# Altium PCB ETRX_Shield.PcbDoc (part 1 of 2) (continued)
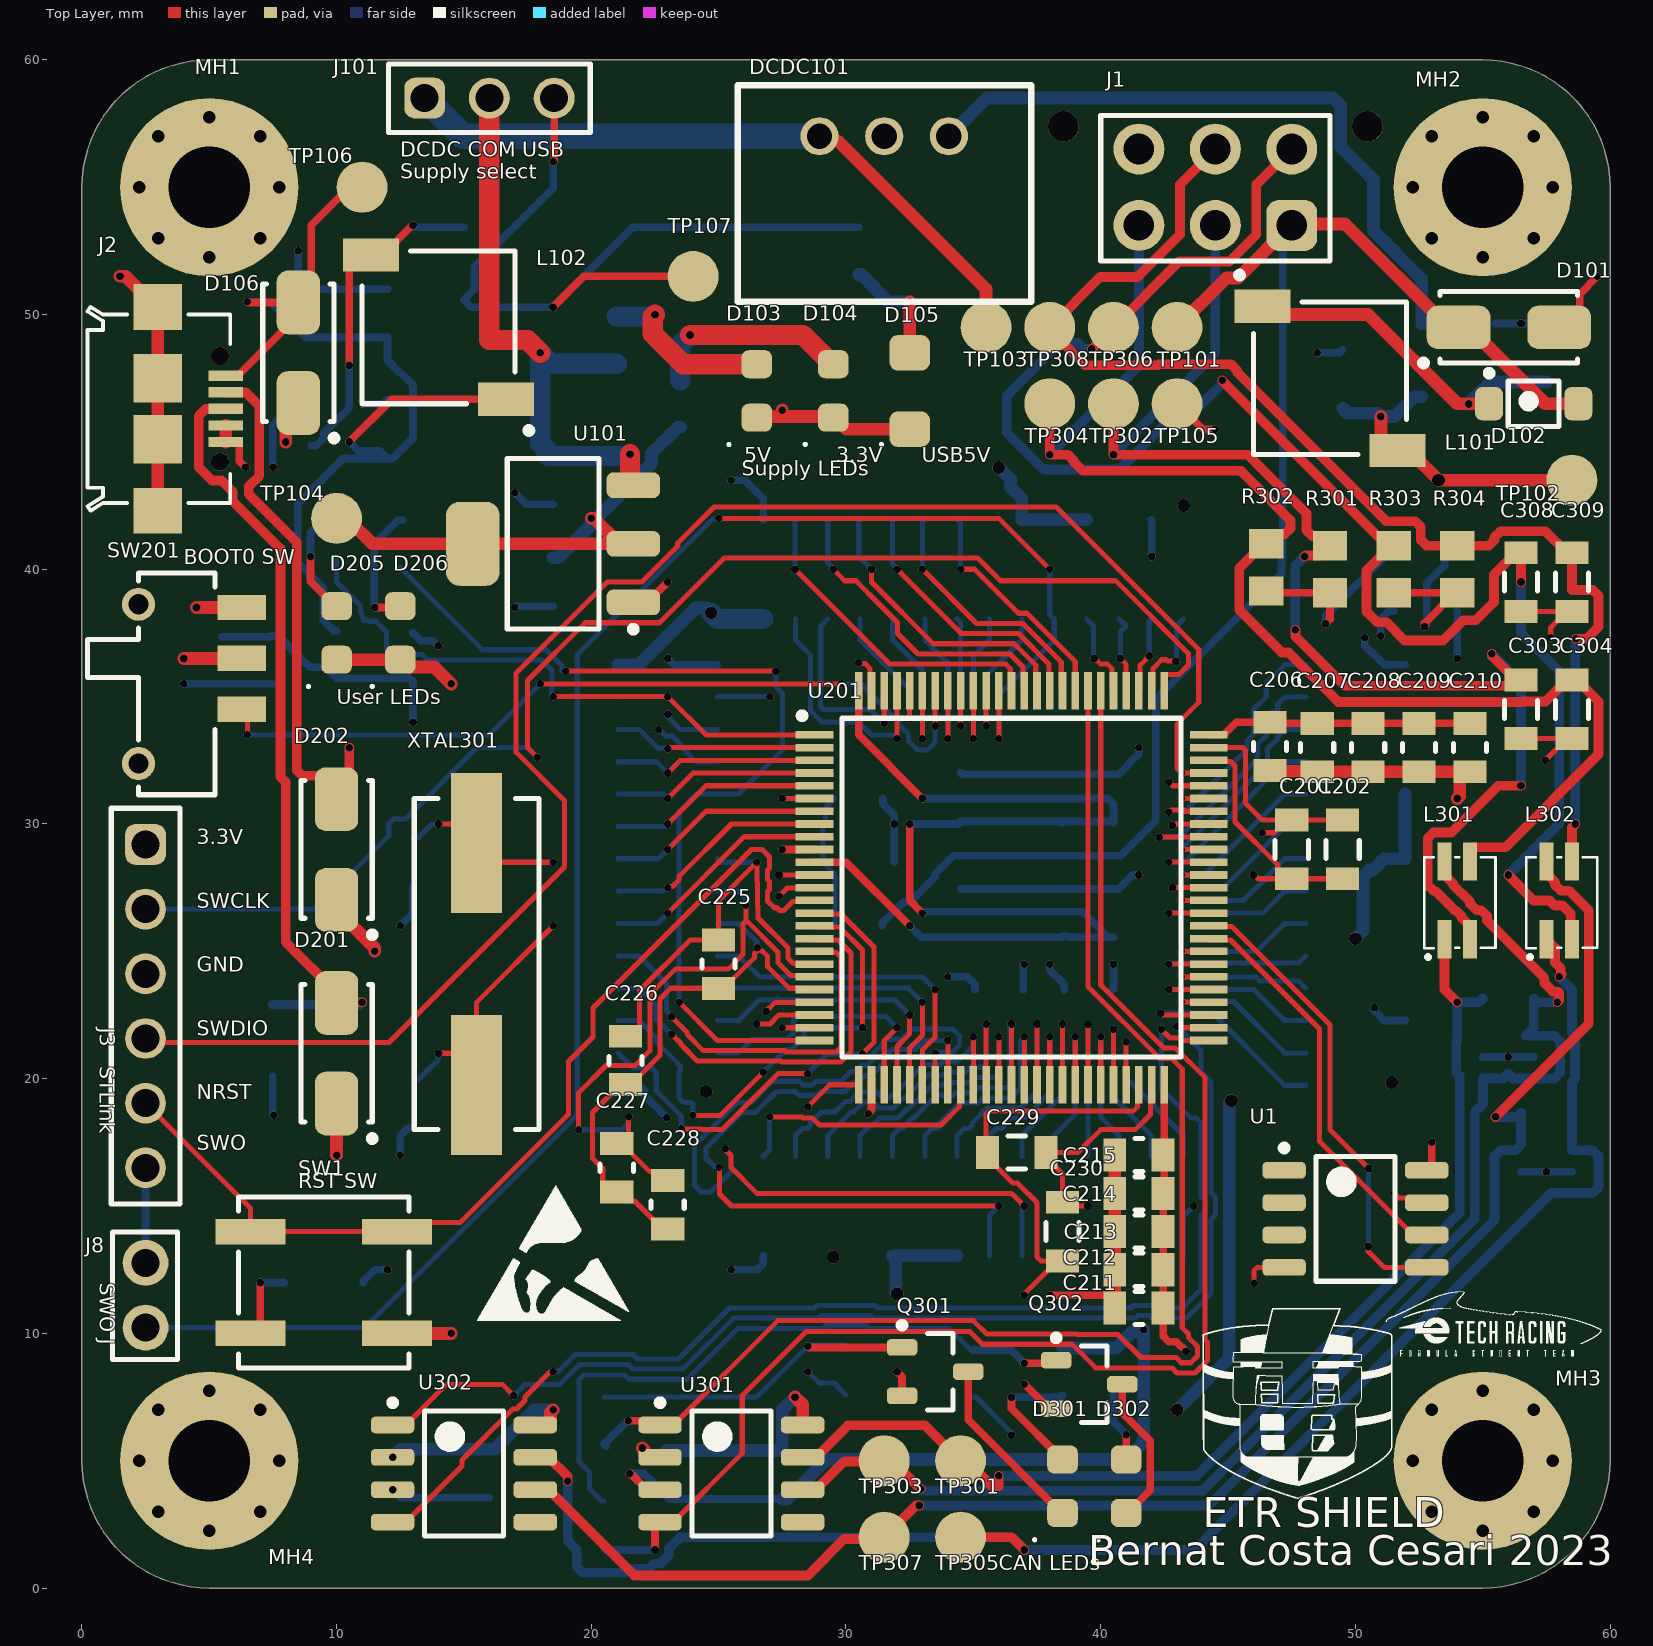
[diagram p0: Top Layer view]
## Part data (continued)
D301 D302: library part LEDYS-0805-120, "2 V Yellow LED 2012 (0805) SMD, Wurth Elektronik WL-SMCW 150080YS75000", Case Code (Imperial)=0805, Case Code (Metric)=2012, Color=Yellow, Forward Current=30mA, Forward Voltage=2V, Manufacturer 1="Wurth Electronics", Max Operating Temperature=85°C, Min Operating Temperature=-40°C, Package Quantity=4000, Supplier Part Number 1=8154231, Test Current=20mA, .Creator=DR, Case/Package=0805, Category=LEDs, ComponentLink1Description=Datasheet, ComponentLink1URL=https://www.we-online.com/catalog/datasheet/150080YS75000.pdf, ComponentLink2Description="Where buy it", ComponentLink2URL=https://katalog.we-online.de/en/led/WL-SMCW/150080YS75000, ComponentLink3Description=https://datasheet.ciiva.com/23843/150080ys75000-23843256.pdf?src-supplier=Newark, ComponentLink3URL=https://datasheet.ciiva.com/23843/150080ys75000-23843256.pdf?src-supplier=Newark, ComponentLink4Description=https://datasheet.ciiva.com/29279/759438-da-01-en-chipled-0805-w-kl-gelb-150080ys75000-29279034.pdf?src-supplier=Conrad, ComponentLink4URL=https://datasheet.ciiva.com/29279/759438-da-01-en-chipled-0805-w-kl-gelb-150080ys75000-29279034.pdf?src-supplier=Conrad, ComponentLink5Description=https://datasheet.ciiva.com/22656/1911353-22656971.pdf?src-supplier=Element14, ComponentLink5URL=https://datasheet.ciiva.com/22656/1911353-22656971.pdf?src-supplier=Element14, ComponentLink6Description=https://datasheet.ciiva.com/29563/150080ys75000-29563019.pdf?src-supplier=Digi-Key, ComponentLink6URL=https://datasheet.ciiva.com/29563/150080ys75000-29563019.pdf?src-supplier=Digi-Key, ComponentLink7Description=https://datasheet.ciiva.com/29563/150080ys75000-29563020.pdf?src-supplier=Digi-Key, ComponentLink7URL=https://datasheet.ciiva.com/29563/150080ys75000-29563020.pdf?src-supplier=Digi-Key, ComponentLink8Description=https://datasheet.ciiva.com/29563/150080ys75000-29563021.pdf?src-supplier=Digi-Key, ComponentLink8URL=https://datasheet.ciiva.com/29563/150080ys75000-29563021.pdf?src-supplier=Digi-Key, Dominant Wavelength=590nm, Height=0.7mm, Length=2mm, Lens Style=Clear,Rectangular, Luminous Intensity=120mcd, Manufacturer Part Number 1=150080YS75000, Mount="Surface Mount", Packaging="Tape and Reel", Pricing 1="50=0,19300, 500=0,12900, 750=0,12300, 1500=0,11700, 3000=0,11100 (USD)", REACH SVHC=Unknown, RoHS=Yes, RoHS Compliant=Yes, Stock 1=2100, Supplier 1=RSComponents, Viewing Angle=140°, Wavelength=590nm, Width=1.25mm
DCDC101: library part DCDC-42V/5V-1A, "Würth Elektronik 8-42V to 5V 1A DC-DC", Manufacturer 1="Wurth Electronics", Max Input Voltage=42V, Max Operating Temperature=85°C, Max Output Current=1A, Min Input Voltage=8V, Min Operating Temperature=-40°C, Supplier Part Number 1=1447809, Voltage - Output 1=5V, .Creator=DR, ComponentLink1Description=http://www.farnell.com/datasheets/2192895.pdf?src-supplier=Farnell, ComponentLink1URL=http://www.farnell.com/datasheets/2192895.pdf?src-supplier=Farnell, ComponentLink2Description=http://www.farnell.com/datasheets/2192895.pdf?src-supplier=Newark, ComponentLink2URL=http://www.farnell.com/datasheets/2192895.pdf?src-supplier=Newark, ComponentLink3Description=https://katalog.we-online.de/pm/datasheet/173010542.pdf?src-supplier=Digi-Key, ComponentLink3URL=https://katalog.we-online.de/pm/datasheet/173010542.pdf?src-supplier=Digi-Key, Efficiency=93%, Features=UVLO,OCP,OTP,SCP, Manufacturer Part Number 1=173010542, Mount="Through Hole", Number of Outputs=1, Packaging=Rail/Tube, Pricing 1="1=12,22500, 8=10,96900, 21=10,68900 (USD)", RoHS=Yes, RoHS Compliant=Yes, Stock 1=1, Supplier 1=RSComponents
F101 F102: library part Fuse_1A_63V_1206, "Fuse Chip Fast Acting 1A 63V SMD Solder Pad 1206 Ceramic T/R Automotive", Case Code (Imperial)=1206, Case Code (Metric)=3216, Current Rating=1A, Manufacturer=Littelfuse, Max Operating Temperature=150°C, Min Operating Temperature=-55°C, Supplier Part Number 1=F10001CT-ND, Voltage Rating (AC)=63V, .Creator=DO, Approvals=CSA,cURus, Case/Package=1206, Category=Fuses, ComponentLink1Description=https://www.littelfuse.com/~/media/electronics/datasheets/fuses/littelfuse_fuse_437a_datasheet.pdf.pdf?src-supplier=Digi-Key, ComponentLink1URL=https://www.littelfuse.com/~/media/electronics/datasheets/fuses/littelfuse_fuse_437a_datasheet.pdf.pdf?src-supplier=Digi-Key, ComponentLink2Description="Where buy it", ComponentLink2URL=https://www.mouser.es/ProductDetail/Littelfuse/0437001WRA?qs=DXv0QSHKF4z9CJhPXjxR%252BA%3D%3D, Fuse Type="Board Mount (Cartridge Style Excluded)", Manufacturer part number=0437001.WRA, Mount="Surface Mount", Packaging="Tape and Reel", Pricing 1="1=1,52000, 5=1,47000, 10=1,37600, 50=1,13860, 100=0,94880, 250=0,92508, 500=0,78276, 1000=0,68788 (USD)", RoHS=Yes, Stock 1=5820, Supplier 1=Digi-Key, Voltage Rating (DC)=63V
J1: library part J_MicroFit_2x3_V, "Micro fit Header, 2 Row, Vertical, Polarizing Peg, 6 Pin, Tin Plate, SMT/Glow Wire, Kinked Leads", Manufacturer=Molex, Manufacturer part number=43045-0612, Supplier Part Number 1=2332898, .Creator=DO, Category="Headers and Wire Housings", ComponentLink1Description=Datasheet, ComponentLink1URL=https://www.molex.com/pdm_docs/sd/430450612_sd.pdf, ComponentLink2Description=https://datasheet.ciiva.com/11748/0900766b800bd7d2-11748707.pdf?src-supplier=RSComponents, ComponentLink2URL=https://datasheet.ciiva.com/11748/0900766b800bd7d2-11748707.pdf?src-supplier=RSComponents, ComponentLink3Description=https://datasheet.ciiva.com/19462/883464-19462371.pdf?src-supplier=Jameco, ComponentLink3URL=https://datasheet.ciiva.com/19462/883464-19462371.pdf?src-supplier=Jameco, ComponentLink4Description=https://datasheet.ciiva.com/30194/128550430450612-pcb-headers-30194512.pdf?src-supplier=Onlinecomponents.com, ComponentLink4URL=https://datasheet.ciiva.com/30194/128550430450612-pcb-headers-30194512.pdf?src-supplier=Onlinecomponents.com, ComponentLink5Description=https://datasheet.ciiva.com/9468/0430450612-pcb-headers-9468492.pdf?src-supplier=Avnet, ComponentLink5URL=https://datasheet.ciiva.com/9468/0430450612-pcb-headers-9468492.pdf?src-supplier=Avnet, ComponentLink8Description="Where buy it", ComponentLink8URL=https://www.molex.com/molex/products/part-detail/pcb_headers/0430450612, Pricing 1="5=1,45500, 100=1,26700, 375=1,08900, 1500=0,90900, 3000=0,72900 (USD)", RoHS=Yes, Stock 1=2635, Supplier 1=RSComponents
J2: "WR-COM Micro USB 2.0 SMT Type B Horizontal 5 Contacts", Manufacturer="Wurth Elektronik", Operating Temperature Max=105°C, Operating Temperature Min=-40°C, Rated Current=1A, Working Voltage="30V (AC)", Application="Micro USB 2.0", Category="Input/Output Connectors", ComponentLink1Description="Website Link", ComponentLink1URL=https://www.we-online.com/redexpert/article/629105136821?ad, ComponentLink2Description="Datasheet Link", ComponentLink2URL=https://www.we-online.com/redexpert/spec/629105136821?ad, Gender=Receptacle, Interface Type="Type B", Manufacturer part number=629105136821, Match Code=WR-USB, Mount="Surface Mount", Number of Pins=5, Number of Ports=1, Orientation=Horizontal, Packaging="Tape and Reel"
J4 J5 J6 J7: "WR-PHD Pin Header, SMT, Vertical, pitch 1.27mm, 2 Row, 28P", Contact Resistance=20mΩ, Manufacturer="Wurth Elektronik", Operating Temperature Max=105°C, Operating Temperature Min=-40°C, Rated Current=1A, Withstanding Voltage=500V, Working Voltage=100V, Category="Board-to-Board Connectors", ComponentLink1Description="Website Link", ComponentLink1URL=https://www.we-online.com/redexpert/article/62132821021?ad, ComponentLink2Description="Datasheet Link", ComponentLink2URL=https://www.we-online.com/redexpert/spec/62132821021?ad, Gender="Pin Header", Manufacturer part number=62132821021, Match Code=WR-PHD, Mount="Surface Mount", Number of Pins=28, Number of Rows=2, Orientation=Vertical, Packaging="Tape and Reel", Pitch=1.27mm
J8: library part J_Jumper, "CONN HEADER 2 POS 2.54", Color=Black, Current Rating=3A, Manufacturer=Molex, Max Operating Temperature=125°C, Maximum current="3 A", Maximum voltage="250 V AC", Min Operating Temperature=-40°C, Supplier Part Number 1=8281581, Temperature rating="-40° to +105°C", Voltage Rating=250V, .Creator=GP, Application=Shortcircuit, Category=Connector, Category type=PCB-PCB, ComponentLink1Description=Datasheet, ComponentLink1URL=https://www.we-online.com/catalog/datasheet/61300211121.pdf, ComponentLink2Description="Where buy it", ComponentLink2URL=https://www.we-online.com/catalog/en/PHD_2_54_THT_PIN_HEADER_6130XX11121?sq=61300211121&sp=https%3A%2F%2Fwww.we-online.com%2Fweb%2Fen%2Fwuerth_elektronik%2Fsearchpage.php%3Fsearch%3D61300211121#61300211121, ComponentLink3Description=https://datasheet.ciiva.com/13619/6130xx11121-48870-13619345.pdf?src-supplier=Mouser, ComponentLink3URL=https://datasheet.ciiva.com/13619/6130xx11121-48870-13619345.pdf?src-supplier=Mouser, Connections=1x2, Connector Type="Male Pin", Contact Gender=Male, Contact Material="Copper Alloy,Copper", Contact Mating Length=0.236inch, Contact Plating=Gold, Flammability=94V-0, Gender=Male, Housing Material=PBT, Lead Free="Lead Free", Manufacturer part number=61300211121, Mount="Through hole", Number of Contacts=2, Number of Positions=2, Number of Rows=1, Orientation=Vertical, Packaging=Bulk, Pitch=0.1inch, Pricing 1="5=0,14100, 50=0,09700, 100=0,07800, 200=0,07300, 500=0,06800 (USD)", Product name="Pin Header", REACH SVHC=Unknown, Stock 1=1855, Supplier="Würth Elektronik", Supplier 1=RSComponents, Termination="Through Hole"
J101: library part J_Jumper3
L101 L102: library part L_47u-490mA_CF, "Inductor Power Unshielded Wirewound 47uH 10% 100KHz Ferrite 490mA 546mOhm DCR T/R", Case/Package=Nonstandard, Current Rating=490mA, DC Resistance (DCR)=546mR, Manufacturer=Sumida, Manufacturer part number=CDC5D23BNP-470KC, Max Operating Temperature=100°C, Min Operating Temperature=-40°C, Package Quantity=2000, Supplier Part Number 1=851-CDC5D23BNP-470KC, Test Frequency=100kHz, Tolerance=10%, .Creator=GP, Category="Fixed Inductors", ComponentLink1Description=http://www.mouser.com/ds/2/390/CDC5D23B-465898.pdf?src-supplier=Mouser, ComponentLink1URL=http://www.mouser.com/ds/2/390/CDC5D23B-465898.pdf?src-supplier=Mouser, ComponentLink3Description=http://products.sumida.com/products/pdf/CDC5D23B.pdf?src-supplier=Digi-Key, ComponentLink3URL=http://products.sumida.com/products/pdf/CDC5D23B.pdf?src-supplier=Digi-Key, Core Material=Ferrite, Height=2.5mm, Height - Seated (Max)=0.098inch, Inductance=47uH, Lead Free="Lead Free", Length=0.228inch, Max DC Current=490mA, Mount="Surface Mount", Packaging="Tape and Reel", Pricing 1="1=0,95000, 10=0,71100, 50=0,71100, 100=0,59700, 1000=0,40600, 10000=0,38100 (USD)", RoHS=Yes, RoHS Compliant=Yes, Series=CDC5D23B, Shielding=Unshielded, Stock 1=3779, Supplier 1=Mouser, Termination=SMD/SMT, Weight=0.007584oz, Width=5.8mm
L301 L302: library part CMC-51uH-125mA, "Common Mode Noise Filter for CAN DCMR Class3 Compliance", Supplier Part Number 1=81-DLW32SH510XF2L, Specifications sheet=https://www.murata.com/products/productdata/8804914298910/QFLC9127.pdf?1681702277000, Supplier 1=Mouser
Q301 Q302: library part TRT-NPN-0.5/45-SOT23, "ON Semi BC817-25LT1G NPN Bipolar Transistor; 0.5 A; 45 V; 3-Pin SOT-23", Case/Package=SOT-23-3, Collector Base Voltage (VCBO)=50V, Collector Emitter Breakdown Voltage=45V, Collector Emitter Saturation Voltage=700mV, Current Rating=500mA, Emitter Base Voltage (VEBO)=5V, Frequency=100MHz, Package Quantity=1, Power Dissipation=300mW, Supplier Part Number 1=BC817-25LT1GOSCT-ND, .Creator=GP, Category=Transistor, Collector Emitter Voltage (VCEO)=45V, Collector-emitter Voltage-Max=700mV, ComponentLink1Description=Datasheet, ComponentLink2Description="Where buy it", ComponentLink3Description=https://datasheet.ciiva.com/27748/2010413-27748829.pdf?src-supplier=Jameco, ComponentLink3URL=https://datasheet.ciiva.com/27748/2010413-27748829.pdf?src-supplier=Jameco, ComponentLink4Description=https://datasheet.ciiva.com/15138/getdatasheetpartid-38405-15138602.pdf?src-supplier=Verical, ComponentLink4URL=https://datasheet.ciiva.com/15138/getdatasheetpartid-38405-15138602.pdf?src-supplier=Verical, ComponentLink5Description=https://datasheet.ciiva.com/1196/bc817-16lt1-d-1196558.pdf?src-supplier=Element14, ComponentLink5URL=https://datasheet.ciiva.com/1196/bc817-16lt1-d-1196558.pdf?src-supplier=Element14, ComponentLink6Description=https://datasheet.ciiva.com/22641/bc817-16lt1-d-22641013.pdf?src-supplier=Farnell, ComponentLink6URL=https://datasheet.ciiva.com/22641/bc817-16lt1-d-22641013.pdf?src-supplier=Farnell, ComponentLink7Description=https://datasheet.ciiva.com/22664/bc817-16lt1-d-22664204.pdf?src-supplier=Element14, ComponentLink7URL=https://datasheet.ciiva.com/22664/bc817-16lt1-d-22664204.pdf?src-supplier=Element14, ComponentLink8Description=https://datasheet.ciiva.com/22664/1842041-22664101.pdf?src-supplier=Element14, ComponentLink8URL=https://datasheet.ciiva.com/22664/1842041-22664101.pdf?src-supplier=Element14, ComponentLink9Description=https://datasheet.ciiva.com/4722/bc817-16lt1-d-104560-4722229.pdf?src-supplier=Mouser, ComponentLink9URL=https://datasheet.ciiva.com/4722/bc817-16lt1-d-104560-4722229.pdf?src-supplier=Mouser, ComponentLink10Description=https://datasheet.ciiva.com/1195/bc817-16lt1-d-1195763.pdf?src-supplier=Element14, ComponentLink10URL=https://datasheet.ciiva.com/1195/bc817-16lt1-d-1195763.pdf?src-supplier=Element14, ComponentLink11Description=https://datasheet.ciiva.com/1195/bc817-16lt1-d-1195764.pdf?src-supplier=Element14, ComponentLink11URL=https://datasheet.ciiva.com/1195/bc817-16lt1-d-1195764.pdf?src-supplier=Element14, ComponentLink12Description=https://datasheet.ciiva.com/11197/bc817-16lt1-d-11197514.pdf?src-supplier=Avnet, ComponentLink12URL=https://datasheet.ciiva.com/11197/bc817-16lt1-d-11197514.pdf?src-supplier=Avnet, ComponentLink13Description=https://datasheet.ciiva.com/25996/bc817-16lt1-d-25996327.pdf?src-supplier=Avnet+Europe, ComponentLink13URL=https://datasheet.ciiva.com/25996/bc817-16lt1-d-25996327.pdf?src-supplier=Avnet+Europe, ComponentLink14Description=https://datasheet.ciiva.com/976/bc817-16lt1-d-976357.pdf?src-supplier=Digi-Key, ComponentLink14URL=https://datasheet.ciiva.com/976/bc817-16lt1-d-976357.pdf?src-supplier=Digi-Key, ComponentLink15Description=https://datasheet.ciiva.com/976/bc817-16lt1-d-976358.pdf?src-supplier=Digi-Key, ComponentLink15URL=https://datasheet.ciiva.com/976/bc817-16lt1-d-976358.pdf?src-supplier=Digi-Key, ComponentLink16Description=https://datasheet.ciiva.com/976/bc817-16lt1-d-976356.pdf?src-supplier=Digi-Key, ComponentLink16URL=https://datasheet.ciiva.com/976/bc817-16lt1-d-976356.pdf?src-supplier=Digi-Key, Contact Plating=Tin,Matte, Element Configuration=Single, Gain Bandwidth Product=100MHz, Halogen Free="Halogen Free", Height=0.94mm, hFE Min=160, Lead Free="Lead Free", Length=2.9mm, Max Breakdown Voltage=45V, Max Collector Current=500mA, Max Frequency=100MHz, Number of Elements=1, Number of Pins=3, Pricing 1="1=0,20000, 10=0,18500, 100=0,10080, 500=0,06204, 1000=0,04229 (USD)", Radiation Hardening=No, REACH SVHC="No SVHC", RoHS Compliant=Yes, Series=-, Supplier 1=Digi-Key, Transition Frequency=100MHz, Width=1.3mm
R1: library part "R549k - 0805"
R2: library part R68k-1206FTK, "Resistor, AS 1206 68k1% 250mW TC100", Manufacturer=Bourns, Resistance=68kR, Supplier Part Number 1=16AH0632, .Creator=DO, Category="Chip SMD Resistors", ComponentLink1Description="Where buy it", ComponentLink1URL=https://www.mouser.es/ProductDetail/Bourns/CR1206AFX-6802EAS?qs=PzGy0jfpSMtMA5jyzS7M7w%3D%3D, ComponentLink2Description=Datasheet, ComponentLink2URL=https://www.mouser.es/datasheet/2/54/cr_a_as-1858644.pdf, Manufacturer part number=CR1206AFX-6802EAS, Pricing 1="1=0,01100, 25=0,01100, 50=0,01100, 100=0,01100, 250=0,01100, 500=0,01100 (USD)", RoHS=Yes, Stock 1=4700, Supplier 1=Newark
R101 R103 R305 R308: library part R470-0805FTK, "Res Thick Film 0805 470 Ohm 1% 1/8W ±100ppm/°C Molded SMD SMD Paper Tape on Plastic Reel", Case Code (Imperial)=0805, Case Code (Metric)=2012, Manufacturer 1=Bourns, Max Operating Temperature=155°C, Max Power Dissipation=125mW, Min Operating Temperature=-55°C, Resistance=470R, Resistance Tolerance=1%, Resistor Type="Thick Film", Temperature Coefficient=100ppm/°C, Voltage Rating=150V, .Creator=DR, Case/Package=0805, Category="Chip SMD Resistors", ComponentLink1Description=https://datasheet.ciiva.com/11808/0900766b80fcdb72-11808686.pdf?src-supplier=RSComponents, ComponentLink1URL=https://datasheet.ciiva.com/11808/0900766b80fcdb72-11808686.pdf?src-supplier=RSComponents, ComponentLink2Description=https://datasheet.ciiva.com/7985/1856384-7985880.pdf?src-supplier=Element14, ComponentLink2URL=https://datasheet.ciiva.com/7985/1856384-7985880.pdf?src-supplier=Element14, ComponentLink3Description=https://datasheet.ciiva.com/22693/1902866-22693247.pdf?src-supplier=Element14, ComponentLink3URL=https://datasheet.ciiva.com/22693/1902866-22693247.pdf?src-supplier=Element14, ComponentLink4Description=https://datasheet.ciiva.com/5541/chpreztr-5541930.pdf?src-supplier=Mouser, ComponentLink4URL=https://datasheet.ciiva.com/5541/chpreztr-5541930.pdf?src-supplier=Mouser, Construction=Rectangular, Contact Plating=Tin, Depth=1.25mm, Features="Moisture Resistant", Height=0.5mm, Length=2mm, Manufacturer Part Number 1=CR0805-FX-4700GLF, Military Standard=Not, Mount="Surface Mount", Number of Pins=2, Number of Terminations=2, Packaging="Tape and Reel", Power Rating=125mW, Pricing 1="1=0,00990, 10=0,00980, 25=0,00950, 50=0,00940, 100=0,00930, 250=0,00920, 500=0,00910, 1000=0,00890, 3000=0,00870, 6000=0,00860 (USD)", Radiation Hardening=No, REACH SVHC="No SVHC", RoHS=Yes, Series=CR0805, Stock 1=12623, Supplier 1="Arrow Electronics", Supplier Part Number 1=CR0805-FX-4700GLF, Technology="THICK FILM", Termination=SMD/SMT, Thickness=508um, Tolerance=1%, Voltage Rating (DC)=150V
R102 R207 R208: library part R100-0805FTK, "Res Thick Film 0805 100 Ohm 1% 1/8W ±100ppm/°C Molded SMD SMD Paper Tape on Plastic Reel", Case Code (Imperial)=0805, Case Code (Metric)=2012, Manufacturer 1=Bourns, Max Operating Temperature=155°C, Max Power Dissipation=125mW, Min Operating Temperature=-55°C, Package Quantity=1, Resistance=100R, Resistance Tolerance=1%, Resistor Type="Thick Film", Temperature Coefficient=100ppm/°C, Voltage Rating=150V, .Creator=DR, Case/Package=0805, Category="Chip SMD Resistors", ComponentLink1Description=https://datasheet.ciiva.com/11809/0900766b80fcdb72-11809178.pdf?src-supplier=RSComponents, ComponentLink1URL=https://datasheet.ciiva.com/11809/0900766b80fcdb72-11809178.pdf?src-supplier=RSComponents, ComponentLink2Description=https://datasheet.ciiva.com/6547/chpreztr-6547413.pdf?src-supplier=Digi-Key, ComponentLink2URL=https://datasheet.ciiva.com/6547/chpreztr-6547413.pdf?src-supplier=Digi-Key, ComponentLink3Description=https://datasheet.ciiva.com/6547/chpreztr-6547414.pdf?src-supplier=Digi-Key, ComponentLink3URL=https://datasheet.ciiva.com/6547/chpreztr-6547414.pdf?src-supplier=Digi-Key, ComponentLink4Description=https://datasheet.ciiva.com/6547/chpreztr-6547415.pdf?src-supplier=Digi-Key, ComponentLink4URL=https://datasheet.ciiva.com/6547/chpreztr-6547415.pdf?src-supplier=Digi-Key, ComponentLink5Description=https://datasheet.ciiva.com/9120/chpreztr-9120744.pdf?src-supplier=Avnet, ComponentLink5URL=https://datasheet.ciiva.com/9120/chpreztr-9120744.pdf?src-supplier=Avnet, Construction=Rectangular, Contact Plating=Tin, Depth=1.25mm, Features="Moisture Resistant", Height=0.5mm, Length=2mm, Manufacturer Part Number 1=CR0805-FX-1000ELF, Military Standard=Not, Mount="Surface Mount", Number of Pins=2, Number of Terminations=2, Packaging="Tape and Reel", Power Rating=125mW, Pricing 1="1=0,05840, 10=0,03430, 25=0,01780, 100=0,00750, 250=0,00560, 500=0,00490, 3000=0,00470 (USD)", Radiation Hardening=No, REACH SVHC="No SVHC", RoHS=Yes, RoHS Compliant=Yes, Series=CR0805, Stock 1=49802, Supplier 1="Arrow Electronics", Supplier Part Number 1=CR0805-FX-1000ELF, Technology="THICK FILM", Termination=SMD/SMT, Thickness=508um, Tolerance=1%, Voltage Rating (DC)=150V, Width=1.25mm
R201: library part R620k-0805FTK
R202: library part R430k-0805FTK
R203: library part R1.6K-1206FTK, "Res Thick Film 1206 1.6K Ohm 1% 1/4W ±100ppm/°C Molded SMD SMD Paper T/R", Case Code (Imperial)=1206, Case Code (Metric)=3216, Manufacturer 1=Vishay, Max Operating Temperature=155°C, Max Power Dissipation=250mW, Min Operating Temperature=-55°C, Package Quantity=5000, Resistance=1k6, Resistance Tolerance=1%, Resistor Type="Thick Film", Supplier Part Number 1=541-1.60KFCT-ND, Temperature Coefficient=100ppm/°C, Voltage Rating=200V, .Creator=DO, Case/Package=1206, Category="Chip SMD Resistors", ComponentLink1Description=https://datasheet.ciiva.com/11811/0900766b80d98b5e-11811377.pdf?src-supplier=RSComponents, ComponentLink1URL=https://datasheet.ciiva.com/11811/0900766b80d98b5e-11811377.pdf?src-supplier=RSComponents, ComponentLink2Description=https://datasheet.ciiva.com/2515/dcrcwe3-2515616.pdf?src-supplier=Digi-Key, ComponentLink2URL=https://datasheet.ciiva.com/2515/dcrcwe3-2515616.pdf?src-supplier=Digi-Key, ComponentLink3Description=https://datasheet.ciiva.com/2515/dcrcwe3-2515617.pdf?src-supplier=Digi-Key, ComponentLink3URL=https://datasheet.ciiva.com/2515/dcrcwe3-2515617.pdf?src-supplier=Digi-Key, ComponentLink4Description=https://datasheet.ciiva.com/2515/dcrcwe3-2515618.pdf?src-supplier=Digi-Key, ComponentLink4URL=https://datasheet.ciiva.com/2515/dcrcwe3-2515618.pdf?src-supplier=Digi-Key, ComponentLink5Description=https://datasheet.ciiva.com/9098/dcrcwe3-9098889.pdf?src-supplier=Avnet, ComponentLink5URL=https://datasheet.ciiva.com/9098/dcrcwe3-9098889.pdf?src-supplier=Avnet, ComponentLink6Description=https://datasheet.ciiva.com/16213/dcrcwe3-16213498.pdf?src-supplier=Future+Electronics, ComponentLink6URL=https://datasheet.ciiva.com/16213/dcrcwe3-16213498.pdf?src-supplier=Future+Electronics, ComponentLink7Description=https://datasheet.ciiva.com/17203/dcrcwe3-17203786.pdf?src-supplier=Avnet+Europe, ComponentLink7URL=https://datasheet.ciiva.com/17203/dcrcwe3-17203786.pdf?src-supplier=Avnet+Europe, ComponentLink8Description=https://datasheet.ciiva.com/7670/1697337-7670316.pdf?src-supplier=Element14, ComponentLink8URL=https://datasheet.ciiva.com/7670/1697337-7670316.pdf?src-supplier=Element14, ComponentLink9Description=https://datasheet.ciiva.com/7670/1697337-7670317.pdf?src-supplier=Element14, ComponentLink9URL=https://datasheet.ciiva.com/7670/1697337-7670317.pdf?src-supplier=Element14, ComponentLink10Description=https://datasheet.ciiva.com/5550/dcrcwe3-109170-5550718.pdf?src-supplier=Mouser, ComponentLink10URL=https://datasheet.ciiva.com/5550/dcrcwe3-109170-5550718.pdf?src-supplier=Mouser, ComponentLink11Description=RS, ComponentLink11URL=https://es.rs-online.com/web/p/resistencias-fijas-para-montaje-en-superficie/6791866/, Construction=Rectangular, Contact Plating=Tin, Depth=1.6mm, Features="Automotive AEC-Q200", Height=0.55mm, Lead Free="Lead Free", Length=3.2mm, Manufacturer Part Number 1=CRCW12061K60FKEA, Military Standard=Not, Number of Pins=2, Number of Terminations=2, Packaging="Tape and Reel", Power Rating=250mW, Pricing 1="1=0,10000, 10=0,08200, 100=0,03160, 1000=0,01392, 2500=0,01202 (USD)", Radiation Hardening=No, REACH SVHC=Unknown, RoHS=Yes, RoHS Compliant=Yes, Series=CRCW, Size Code=1206, Supplier 1=Digi-Key, Technology="THICK FILM", Termination=SMD/SMT, Tolerance=1%, Voltage Rating (DC)=200V, Weight=0.000353oz, Width=0.063inch
R301 R302 R303 R304: "Res Thin Film 0805 60.4 Ohm 0.1% 1/8W ±25ppm/°C Molded SMD SMD Punched Carrier T/R", Case Code (Imperial)=0805, Case Code (Metric)=2012, Manufacturer 1=Panasonic, Manufacturer Part Number 1=ERA-6AEB60R4V, Max Operating Temperature=155°C, Max Power Dissipation=125mW, Min Operating Temperature=-55°C, Package Quantity=5000, Resistance=60.4R, Resistor Type="Thin Film,Metal Film", Temperature Coefficient=25ppm/°C, Tolerance=0.1%, Voltage Rating=200V, Voltage Rating (DC)=100V, .Creator=DR, Case/Package=0805, Category="Chip SMD Resistors", ComponentLink1Description=https://datasheet.ciiva.com/11811/0900766b80eb1d8c-11811180.pdf?src-supplier=RSComponents, ComponentLink1URL=https://datasheet.ciiva.com/11811/0900766b80eb1d8c-11811180.pdf?src-supplier=RSComponents, ComponentLink2Description=https://datasheet.ciiva.com/41450/001181146-da-01-en-widerstand-era-0805-60r4-0-1-5000st-41450303.pdf?src-supplier=Conrad, ComponentLink2URL=https://datasheet.ciiva.com/41450/001181146-da-01-en-widerstand-era-0805-60r4-0-1-5000st-41450303.pdf?src-supplier=Conrad, ComponentLink3Description=https://datasheet.ciiva.com/5951/485442-5951173.pdf?src-supplier=Farnell, ComponentLink3URL=https://datasheet.ciiva.com/5951/485442-5951173.pdf?src-supplier=Farnell, ComponentLink4Description=https://datasheet.ciiva.com/30184/54aoa0000ce26-30184022.pdf?src-supplier=Onlinecomponents.com, ComponentLink4URL=https://datasheet.ciiva.com/30184/54aoa0000ce26-30184022.pdf?src-supplier=Onlinecomponents.com, ComponentLink5Description=https://datasheet.ciiva.com/9188/aoa0000ce26-9188476.pdf?src-supplier=Avnet, ComponentLink5URL=https://datasheet.ciiva.com/9188/aoa0000ce26-9188476.pdf?src-supplier=Avnet, Contact Plating=Tin, Depth=1.25mm, Features="Automotive AEC-Q200", Height=0.5mm, Lead Free="Lead Free", Length=2mm, Mount="Surface Mount", Number of Pins=2, Number of Terminations=2, Packaging="Tape and Reel", Power Rating=125mW, Pricing 1="1=0,04650, 10=0,03900, 100=0,02860 (USD)", Radiation Hardening=No, RoHS=Yes, Stock 1=5000, Supplier 1="Arrow Electronics", Supplier Part Number 1=ERA-6AEB60R4V, Termination=SMD/SMT, Weight=0.000194oz, Width=1.25mm
R306 R309: library part R47kR-0805FTK
R307 R310: library part R22k-0805FTK
SW1: "WS-TASV J-Hook SMT Hermetic Tact Switch, L6 x W6 x H3.4mm, 250g, SPST-NO, 12V, 50mA", Manufacturer="Wurth Elektronik", Operating Temperature Max=85°C, Operating Temperature Min=-40°C, Rated Current=50mA, Rated Voltage (DC)=12V, Category="Tact Switches", Circuit=SPST-NO, ComponentLink1Description="Website Link", ComponentLink1URL=https://www.we-online.com/redexpert/article/430773034825?ad, ComponentLink2Description="Datasheet Link", ComponentLink2URL=https://www.we-online.com/redexpert/spec/430773034825?ad, Contact Material="Stainless Steel", Contact Plating=Silver, Height=3.4mm, Length=6mm, Manufacturer part number=430773034825, Match Code=WS-TASV, Mount="Surface Mount", Operation Force=250g, Packaging="Tape and Reel", Terminal Material="Copper Alloy", Terminal Plating=Silver, Washable=Yes, Width=6mm
SW201: "WS-SLSU SMT Mini Slide Switch Same Side Connection, SPDT, 5VDC, 300mA, 225g", Manufacturer="Wurth Elektronik", Operating Temperature Max=85°C, Operating Temperature Min=-40°C, Rated Current=300mA, Rated Voltage=5VDC, Category="Slide Switches", Circuit=SPDT, ComponentLink1Description="Website Link", ComponentLink1URL=https://www.we-online.com/redexpert/article/450405020524?ad, ComponentLink2Description="Datasheet Link", ComponentLink2URL=https://www.we-online.com/redexpert/spec/450405020524?ad, Contact Material="Copper Alloy", Contact Plating=Silver, Height=2mm, Length=8.7mm, Manufacturer part number=450405020524, Match Code=WS-SLSU, Mount="Surface Mount", Operation Force=225g, Packaging="Tape and Reel", Terminal Material="Copper Alloy", Terminal Plating=Silver, Width=3mm
TP101 TP102 TP103 TP104 TP105 TP106 TP107 TP301 TP302 TP303 TP304 TP305 TP306 TP307 TP308: "Test Point 1x1 mm", .Creator=GP, .PCBcheck=GP, .SCHcheck=GP, Category=TestPoint
U1: library part "EEPROM 24AA02I2C 2K Microchip", "24AA02 / 2Kb I2C compatible 2-wire Serial EEPROM", Supplier Part Number 1=24AA02-I/SN, ComponentLink1Description=Datasheet, ComponentLink1URL=https://ww1.microchip.com/downloads/aemDocuments/documents/MPD/ProductDocuments/DataSheets/24AA02-24LC02B-24FC02-2K-I2C-Serial-EEPROM-20001709N.pdf, Supplier 1="Arrow Electronics"
U101: library part LDO_10V-0.8/3V3-SOT223, "LDO Regulator Pos 3.3V 0.8A 4-Pin(3+Tab) SOT-223 T/R / IC REG LDO 3.3V 0.8A SOT223", Case/Package=SOT-223, Current Rating=800A, Dropout Voltage=1.2V, Manufacturer="Texas Instruments", Max Input Voltage=15V, Max Operating Temperature=125°C, Max Output Current=800mA, Max Supply Voltage=10V, Min Input Voltage=2.6V, Min Operating Temperature=-40°C, Min Supply Voltage=4.75V, Nominal Output Voltage=3.3V, Output Voltage Accuracy=1%, Package Quantity=1000, Quiescent Current=15mA, Supplier Part Number 1=LM1117IMP-3.3/NOPBCT-ND, .Creator=GP, Accuracy=1%, Category=LDO, ComponentLink1Description=Datasheet, ComponentLink1URL=https://www.ti.com/lit/ds/symlink/lm1117.pdf?HQS=dis-mous-null-mousermode-dsf-pf-null-wwe&DCM=yes&ref_url=https%3A%2F%2Fwww.mouser.de%2F&distId=26, ComponentLink2Description="Where buy it", ComponentLink2URL=https://www.mouser.es/ProductDetail/Texas-Instruments/LM1117IMP-33-NOPB?qs=X1J7HmVL2ZFbpN1TgOsjYQ%3D%3D, ComponentLink3Description=https://datasheet.ciiva.com/27051/1281318-27051810.pdf?src-supplier=Jameco, ComponentLink3URL=https://datasheet.ciiva.com/27051/1281318-27051810.pdf?src-supplier=Jameco, ComponentLink4Description=https://datasheet.ciiva.com/8042/1670636-8042261.pdf?src-supplier=Element14, ComponentLink4URL=https://datasheet.ciiva.com/8042/1670636-8042261.pdf?src-supplier=Element14, ComponentLink5Description=https://datasheet.ciiva.com/1570/1849796-1570171.pdf?src-supplier=Farnell, ComponentLink5URL=https://datasheet.ciiva.com/1570/1849796-1570171.pdf?src-supplier=Farnell, ComponentLink6Description=https://datasheet.ciiva.com/14149/lm1117-eng-tds-14149980.pdf?src-supplier=Distrelec, ComponentLink6URL=https://datasheet.ciiva.com/14149/lm1117-eng-tds-14149980.pdf?src-supplier=Distrelec, ComponentLink7Description=https://datasheet.ciiva.com/46386/1882372-46386042.pdf?src-supplier=Element14, ComponentLink7URL=https://datasheet.ciiva.com/46386/1882372-46386042.pdf?src-supplier=Element14, ComponentLink8Description=https://datasheet.ciiva.com/3223/lm1117-n-3223515.pdf?src-supplier=Avnet, ComponentLink8URL=https://datasheet.ciiva.com/3223/lm1117-n-3223515.pdf?src-supplier=Avnet, ComponentLink9Description=https://datasheet.ciiva.com/6580/lm1117-n-6580030.pdf?src-supplier=Digi-Key, ComponentLink9URL=https://datasheet.ciiva.com/6580/lm1117-n-6580030.pdf?src-supplier=Digi-Key, ComponentLink10Description=https://datasheet.ciiva.com/6580/lm1117-n-6580026.pdf?src-supplier=Digi-Key, ComponentLink10URL=https://datasheet.ciiva.com/6580/lm1117-n-6580026.pdf?src-supplier=Digi-Key, Height=1.6mm, Lead Free="Lead Free", Length=6.5mm, Manufacturer part number=LM1117IMP-3.3/NOPB, Min Current Limit=800mA, Mount="Surface Mount", Number of Outputs=1, Number of Pins=4, Number of Regulators=1, Output Current=800mA, Output Type=Fixed, Output Voltage=3.3V, Packaging="Tape and Reel", Polarity=Positive, Pricing 1="1=1,41000, 10=1,26300, 25=1,19920, 100=0,98500, 250=0,92072, 500=0,81366 (USD)", Radiation Hardening=No, REACH SVHC="No SVHC", RoHS=Yes, RoHS Compliant=Yes, Supplier 1=Digi-Key, Termination=SMD/SMT, Width=3.56mm
U201: "ARM Microcontrollers - MCU 16/32-BITS MICROS", Manufacturer_Name=STMicroelectronics, Mouser Part Number=511-STM32F777VIT6, Datasheet Link=https://www.st.com/resource/en/datasheet/stm32f777vi.pdf, Geometry.Height=1.6mm, Manufacturer_Part_Number=STM32F777VIT6, Mouser Price/Stock=https://www.mouser.co.uk/ProductDetail/STMicroelectronics/STM32F777VIT6?qs=qzCNEk%252BRr%252BbclRoyC9pexg%3D%3D
U301: library part "Transceiver CAN MCP2551 I/SN"
U302: library part "Transceiver CAN MCP2551 I/SN", Supplier Part Number 1=MCP2551T-I/SN, Supplier 1="Arrow Electronics"
XTAL301: library part XTAL20M_SMD, "830028710, 20 MHz", Frequency="20 MHz", Frequency Stability="+-50 ppm", Manufacturer="Würth Elektronik", Max operating temperature.=85ºC, Min Operating Temperature=-40ºC, Supplier Part Number 1=1923-830028710CT-ND, .Creator=GP, Category=XTAL, ComponentLink1Description=Datasheet, ComponentLink1URL=https://www.we-online.com/catalog/datasheet/830028710.pdf, ComponentLink2Description="Where buy it", Drive level="500µW max", Manufacturer part number=830028710, Number of Pins=2, Packaging=Reel, Pricing 1="1=0,37000, 10=0,28100, 50=0,26800, 100=0,24400, 500=0,22000 (USD)", RoHS=Yes, Stock 1=975, Supplier="Würth Elektronik", Supplier 1=Digi-Key, Type=SMD

## Via types
v1: diameter 0.3, hole 0.3, Top Layer to Bottom Layer, 237 vias
v2: diameter 0.7, hole 0.5, Top Layer to Bottom Layer, 32 vias
v3: diameter 0.5, hole 0.5, Top Layer to Bottom Layer, 11 vias

## Nets (pads, with @x,y where several pads share a name; then routed paths per layer and width w, separated by ;. In a path a pad name is that pad's centre, name@x,y a point inside that pad or via, vN(x,y) a via of type N, cw(c..) or ccw(c..) an arc to the next point about the centre after c; other vN are vias at no path point)
"5V supply": DCDC101.3 J101.1 TP103.1 | length 26.6
  Top Layer w0.5: DCDC101.3@28.96,57 29.151,56.809 29.691,56.809 35.5,51 TP103.1@35.5,49.5
  Bottom Layer w1: J101.1@13.46,58.5 14.96,57 DCDC101.3@28.96,57
+3.3: C105.2 C205.1 C206.1 C207.1 C208.1 C209.1 C210.1 C211.1 C212.1 C213.1 C214.1 C215.1 C216.1 C217.1 C218.1 C219.1 C220.1 C221.1 C222.1 C223.1 C224.1 J3.1 J4.1 J5.2 J6.1 J7.1 R102.1 R203.2 SW201.L1 TP104.1 U1.8 U101.2 U101.4 U201.11 U201.27 U201.50 U201.75 U201.100 | length 119.8
  Top Layer w0.3: J3.1@2.5,29.2 J3.1@2.95,28.75 ; U201.11@28.762,28.5 30,28.5 v1(32.5,26) ; U201.100@30.5,35.238 30.5,33.5 33,31 ; v1(30.87,18.63) 31,18.761 31,20 U201.27@31,19.762 ; v1(32.5,30) 32.5,27 v1(33,26.5) ; U201.50@42.5,19.762 42.5,15.362 42.45,15.312 C213.1@42.45,14 C212.1@42.45,12.5 C211.1@42.45,11 42.45,9.9 42.67,9.68 42.969,9.68 v1(43.35,9.299) ; U201.75@44.238,33.5 44.826,33.5 45.32,33.994 C206.1@46.65,33.994 46.694,33.95 C207.1@48.5,33.95 C208.1@50.5,33.95 C209.1@52.5,33.95 C210.1@54.5,33.95 ; U1.8@52.8,16.405 52.826,16.405 53,16.579 v1(53,17.5)
  Top Layer w0.5: v1(4.5,38.5) SW201.L1@6.275,38.5 SW201.L1@6.725,38.5 ; TP104.1@10,41.775 10.631,41.775 11.406,41 U101.2@21.1,41 ; v1(20,42) 20.1,42 U101.2@21.1,41 ; U101.2@21.65,41 U101.2@21.1,41
  Bottom Layer w0.3: R203.2@7.5,20.1 7.5,18.601 v1(7.529,18.571) ; v1(23,36.5) 23.245,36.255 J4.1@24.95,36.255 ; v1(25.5,12.5) 26.52,12.5 26.745,12.725 J5.2@26.745,13.05 ; v1(25.5,43.5) 26.02,43.5 26.745,42.775 J7.1@26.745,41.95 ; v1(32.5,26) 32.95,25.55 C221.1@34.5,25.55 C219.1@38.5,25.55 ; v1(32.5,30) 34.4,30 C205.1@34.5,30.1 C223.1@38.5,30.1 ; v1(33,26.5) 33.05,26.55 39.3,26.55 C218.1@40.3,25.55 ; 33,31 40.3,31 40.5,30.8 C222.1@40.5,30.05 40.45,30.1 C223.1@38.5,30.1 ; v1(34,24) 34.765,24 35.065,23.7 C217.1@35.065,23.5 ; v1(38,24.5) 38,24.265 38.565,23.7 C216.1@38.565,23.5 ; C219.1@38.5,25.6 38.7,25.6 38.75,25.55 C218.1@40.3,25.55 ; C223.1@38.5,30.05 C223.1@38.5,30.1 ; C218.1@40.5,25.55 C218.1@40.3,25.55 ; v1(50.373,37.313) 50.373,37.007 51.125,36.255 J6.1@51.95,36.255
  Bottom Layer w0.5: C105.2@18.5,40.45 18.7,40.45 20,41.75 v1(20,42) 20.202,42 22.368,44.166 22.368,44.543 23.4,45.575 R102.1@23.5,45.575 ; v3(43,7) 45.05,9.05 45.05,19.049 v3(45.131,19.13)
+5: C104.1 C311.1 C312.1 C313.1 C314.1 J4.27 J5.6 J6.27 J7.27 J101.2 R101.1 R305.1 R308.1 U101.3 U301.3 U302.3 | length 159
  Top Layer w0.3: v1(21.5,4.5) 21.54,4.5 22.175,3.865 U301.3@22.7,3.865
  Top Layer w0.8: J101.2@16,58.5 16,49 17.5,49 v1(18,48.5) ; v1(21.518,44.518) 21.518,43.4 21.618,43.3 U101.3@21.65,43.3
  PWR w0.3: v1(12.2,3.865) 13.033,4.698 20.086,4.698 20.284,4.5 v1(21.5,4.5)
  PWR w0.5: v1(41.685,10.15) 41.938,10.15 44.894,13.106 ; 44.788,13.212 44.894,13.106 ; v3(51.426,19.85) 51.426,19.638 44.894,13.106
  PWR w0.8: v1(21.518,44.518) 22.5,45.5 29.395,45.5 32.895,42 42.755,42 v3(43.255,42.5) 43.255,39.122 44,38.377 44,22 46,20 51.276,20 v3(51.426,19.85) ; v3(24.5,19.5) 27,17 27,15.5 v3(29.5,13) 44.576,13 44.788,13.212
  Bottom Layer w0.3: v1(12.2,3.865) 12.515,3.55 C311.1@14,3.55 C312.1@16,3.55 ; v1@21.52,4.5 22.065,4.5 23.065,3.5 C313.1@25,3.5 C314.1@27.5,3.5
  Bottom Layer w0.5: C314.1@27.5,3.5 27.7,3.5 29.247,5.047 41,5.047 41.685,5.731 v1(41.685,10.15) 41.585,10.05 41.225,10.05 40.6,9.425 R305.1@38.5,9.425
  Bottom Layer w0.8: R101.1@21,48.075 18.425,48.075 v1(18,48.5) 18,44.95 18.25,44.7 18.25,44.5 18.3,44.45 21.45,44.45 v1(21.518,44.518)
CAN1_H: C303.1 J1.2 L301.4 R301.2 TP302.1 | length 53.8
  Top Layer w0.381: TP302.1@40.5,46.5 v1(40.5,44.5) 45.769,44.5 48.083,42.186 48.083,41.533 48.306,41.309 48.616,41.309 R301.2@49,40.925 48.616,40.54 48.04,40.54 v1(48,40.5) ; v1(47.637,37.628) 47.651,37.614 47.651,37.364 49.59,35.425 56.275,35.425 56.4,35.55 C303.1@56.5,35.65 56.3,35.65 55.353,36.597 v1(55.353,36.687) ; L301.4@54.5,25.475 54.5,26 54.166,26.334 54.166,26.387 53.937,26.615 53.884,26.615 53.115,27.384 53.063,27.384 52.835,27.613 52.835,29.437 53.063,29.666 53.768,29.666 55.602,31.5 v1(56.5,31.5)
  Bottom Layer w0.381: v1(40.5,44.5) 44.5,48.5 J1.2@44.5,53.5 ; v1(47.637,37.628) 47.637,40.137 v1(48,40.5) ; v1(55.353,36.687) 56.5,35.54 v1(56.5,31.5)
CAN1_L: C304.1 J1.3 L301.3 R302.2 TP304.1 | length 53
  Top Layer w0.381: TP304.1@38,46.5 v1(38,44.5) 38.709,44.5 38.933,44.277 38.933,44.237 39.304,43.865 45.506,43.865 47.448,41.923 47.448,41.608 47.225,41.384 46.885,41.384 R302.2@46.5,41 46.4,41 45.435,40.034 45.435,38.413 47.112,36.736 47.382,36.736 49.327,34.79 56.539,34.79 56.558,34.809 57.459,34.809 58.3,35.65 C304.1@58.5,35.65 58.7,35.65 59.541,34.809 59.541,32.738 55.887,29.085 54.585,29.085 54.5,29 L301.3@54.5,28.525
  Bottom Layer w0.381: v1(38,44.5) 41.5,48 J1.3@41.5,53.5
CAN1_RX: R309.1 U201.81 U301.4 | length 58.3
  Top Layer w0.2: U301.4@22.674,2.595 U301.4@22.7,2.595 23.225,2.595 25.925,5.295 25.925,7.561 28.439,10.075 34.859,10.075 35.359,9.575 38.879,9.575 39.804,8.65 42.797,8.65 42.998,8.449 43.702,8.449 44.2,8.947 44.2,9.651 44.1,9.751 44.1,20.039 42.94,21.2 42.48,21.2 40,23.68 U201.81@40,35.238
  Top Layer w0.3: v1(22.5,1.5) 22.5,2.421 U301.4@22.674,2.595
  Bottom Layer w0.3: R309.1@20.5,1.575 20.575,1.5 v1(22.5,1.5)
CAN1_TX: R306.1 U201.82 U301.1 | length 54.5
  Top Layer w0.2: U301.1@22.7,6.405 23.225,6.405 27.32,10.5 35,10.5 35.525,9.975 39.045,9.975 39.07,9.95 40.678,9.95 41.578,9.05 42.963,9.05 43.164,8.849 43.536,8.849 43.8,9.113 43.8,9.486 43.536,9.749 43.45,9.836 43.45,9.976 43.2,10.226 43.2,20.374 42.774,20.8 42.314,20.8 39.5,23.614 U201.82@39.5,35.238
  Top Layer w0.3: v1(21.45,6.575) 21.453,6.572 22.533,6.572 U301.1@22.7,6.405
  Bottom Layer w0.3: R306.1@20.575,5.575 R306.1@20.5,5.65 21.425,6.575 v1(21.45,6.575)
CAN2_H: C308.1 J1.4 L302.4 R303.2 TP306.1 | length 68.2
  Top Layer w0.381: v1(39.65,48.65) TP306.1@40.5,49.5 43.081,52.081 45.047,52.081 46.109,53.143 46.109,55.109 J1.4@47.5,56.5 ; v1(44.769,47.415) 50.929,41.255 51.169,41.255 R303.2@51.5,40.925 51.4,40.925 50.434,39.959 50.434,38.338 50.849,37.924 51.213,37.924 51.932,37.205 53.441,37.205 54.237,38.001 54.728,38.001 55.439,38.711 55.439,39.789 56.3,40.65 C308.1@56.5,40.65 v1(56.5,39.5) ; v1(56,28) 57,27 57.626,27 57.823,26.803 58.139,26.803 58.448,26.494 58.448,25.527 L302.4@58.5,25.475
  Bottom Layer w0.381: v1(39.65,48.65) 39.35,48.65 39.118,48.882 38.382,48.882 36.309,46.809 36.309,45.369 37.759,43.919 40.741,43.919 42.661,45.839 43,45.5 44.769,47.269 v1(44.769,47.415) ; v1(56,28) 58,30 58,36 57.25,36.75 56.5,37.5 v1(56.5,39.5)
CAN2_L: C309.1 J1.5 L302.3 R304.2 TP308.1 | length 49.4
  Top Layer w0.381: J1.5@44.5,56.5 43.109,55.109 43.109,53.143 41.443,51.476 39.976,51.476 TP308.1@38,49.5 38,49.402 39.387,48.015 42.23,48.015 42.264,48.05 45.107,48.05 45.365,47.792 45.365,47.717 51.192,41.89 52.337,41.89 52.565,41.662 52.565,41.148 52.789,40.925 R304.2@54,40.925 55.236,40.925 55.459,41.148 55.459,41.262 55.688,41.491 57.459,41.491 58.3,40.65 C309.1@58.5,40.65 58.5,39.191 59.312,39.191 59.541,38.962 59.541,37.738 59.07,37.268 v1(58.654,37.268) ; L302.3@58.5,28.525 58.5,29.865 v1(58.635,30)
  Bottom Layer w0.381: v1(58.635,30) 58.635,37.249 v1(58.654,37.268)
CAN2_RX: U201.51 U302.4 | length 48.9
  Top Layer w0.2: U302.4@12.2,2.595 12.725,2.595 14.925,4.795 14.925,5.034 16.921,7.03 17.062,7.03 17.398,7.366 17.398,7.507 18.372,8.481 18.481,8.481 v1(18.5,8.5) ; v1(42.38,21.936) 42.717,21.599 43.106,21.599 43.204,21.501 U201.51@43.905,21.501
  Bottom Layer w0.2: v1(18.5,8.5) 18.694,8.5 19.369,9.175 21.631,9.175 21.806,9 23.424,9 25.424,11 26,11 28.769,11 28.869,11.1 31.131,11.1 31.231,11 41.191,11 41.291,11.1 42.078,11.1 42.178,11 43.204,11 43.93,11.726 43.93,14.644 44.1,14.814 44.1,15.186 43.93,15.356 43.93,18.274 43.754,18.45 43.55,18.45 42.38,19.62 v1(42.38,21.936)
CAN2_TX: U201.52 U302.1 | length 47.4
  Top Layer w0.2: U302.1@12.2,6.405 12.725,6.405 14.32,8 16.5,8 v1(16.948,7.552) ; v1(42.993,22.049) 43.02,22.049 43.07,22 U201.52@44.238,22
  Bottom Layer w0.2: v1(16.948,7.552) 17.396,8 18.76,8 19.535,8.775 21.465,8.775 21.64,8.6 23.59,8.6 25.59,10.6 28.935,10.6 29.035,10.7 30.965,10.7 31.065,10.6 41.357,10.6 41.457,10.7 41.912,10.7 42.012,10.6 43.37,10.6 44.33,11.56 44.33,14.478 44.5,14.648 44.5,15.352 44.33,15.522 44.33,19.88 43.93,20.28 43.93,21.07 43.93,21.113 v1(42.993,22.049)